# Altium PCB 190909 PCB (INITIAL).PcbDoc (part 1 of 2) (continued)
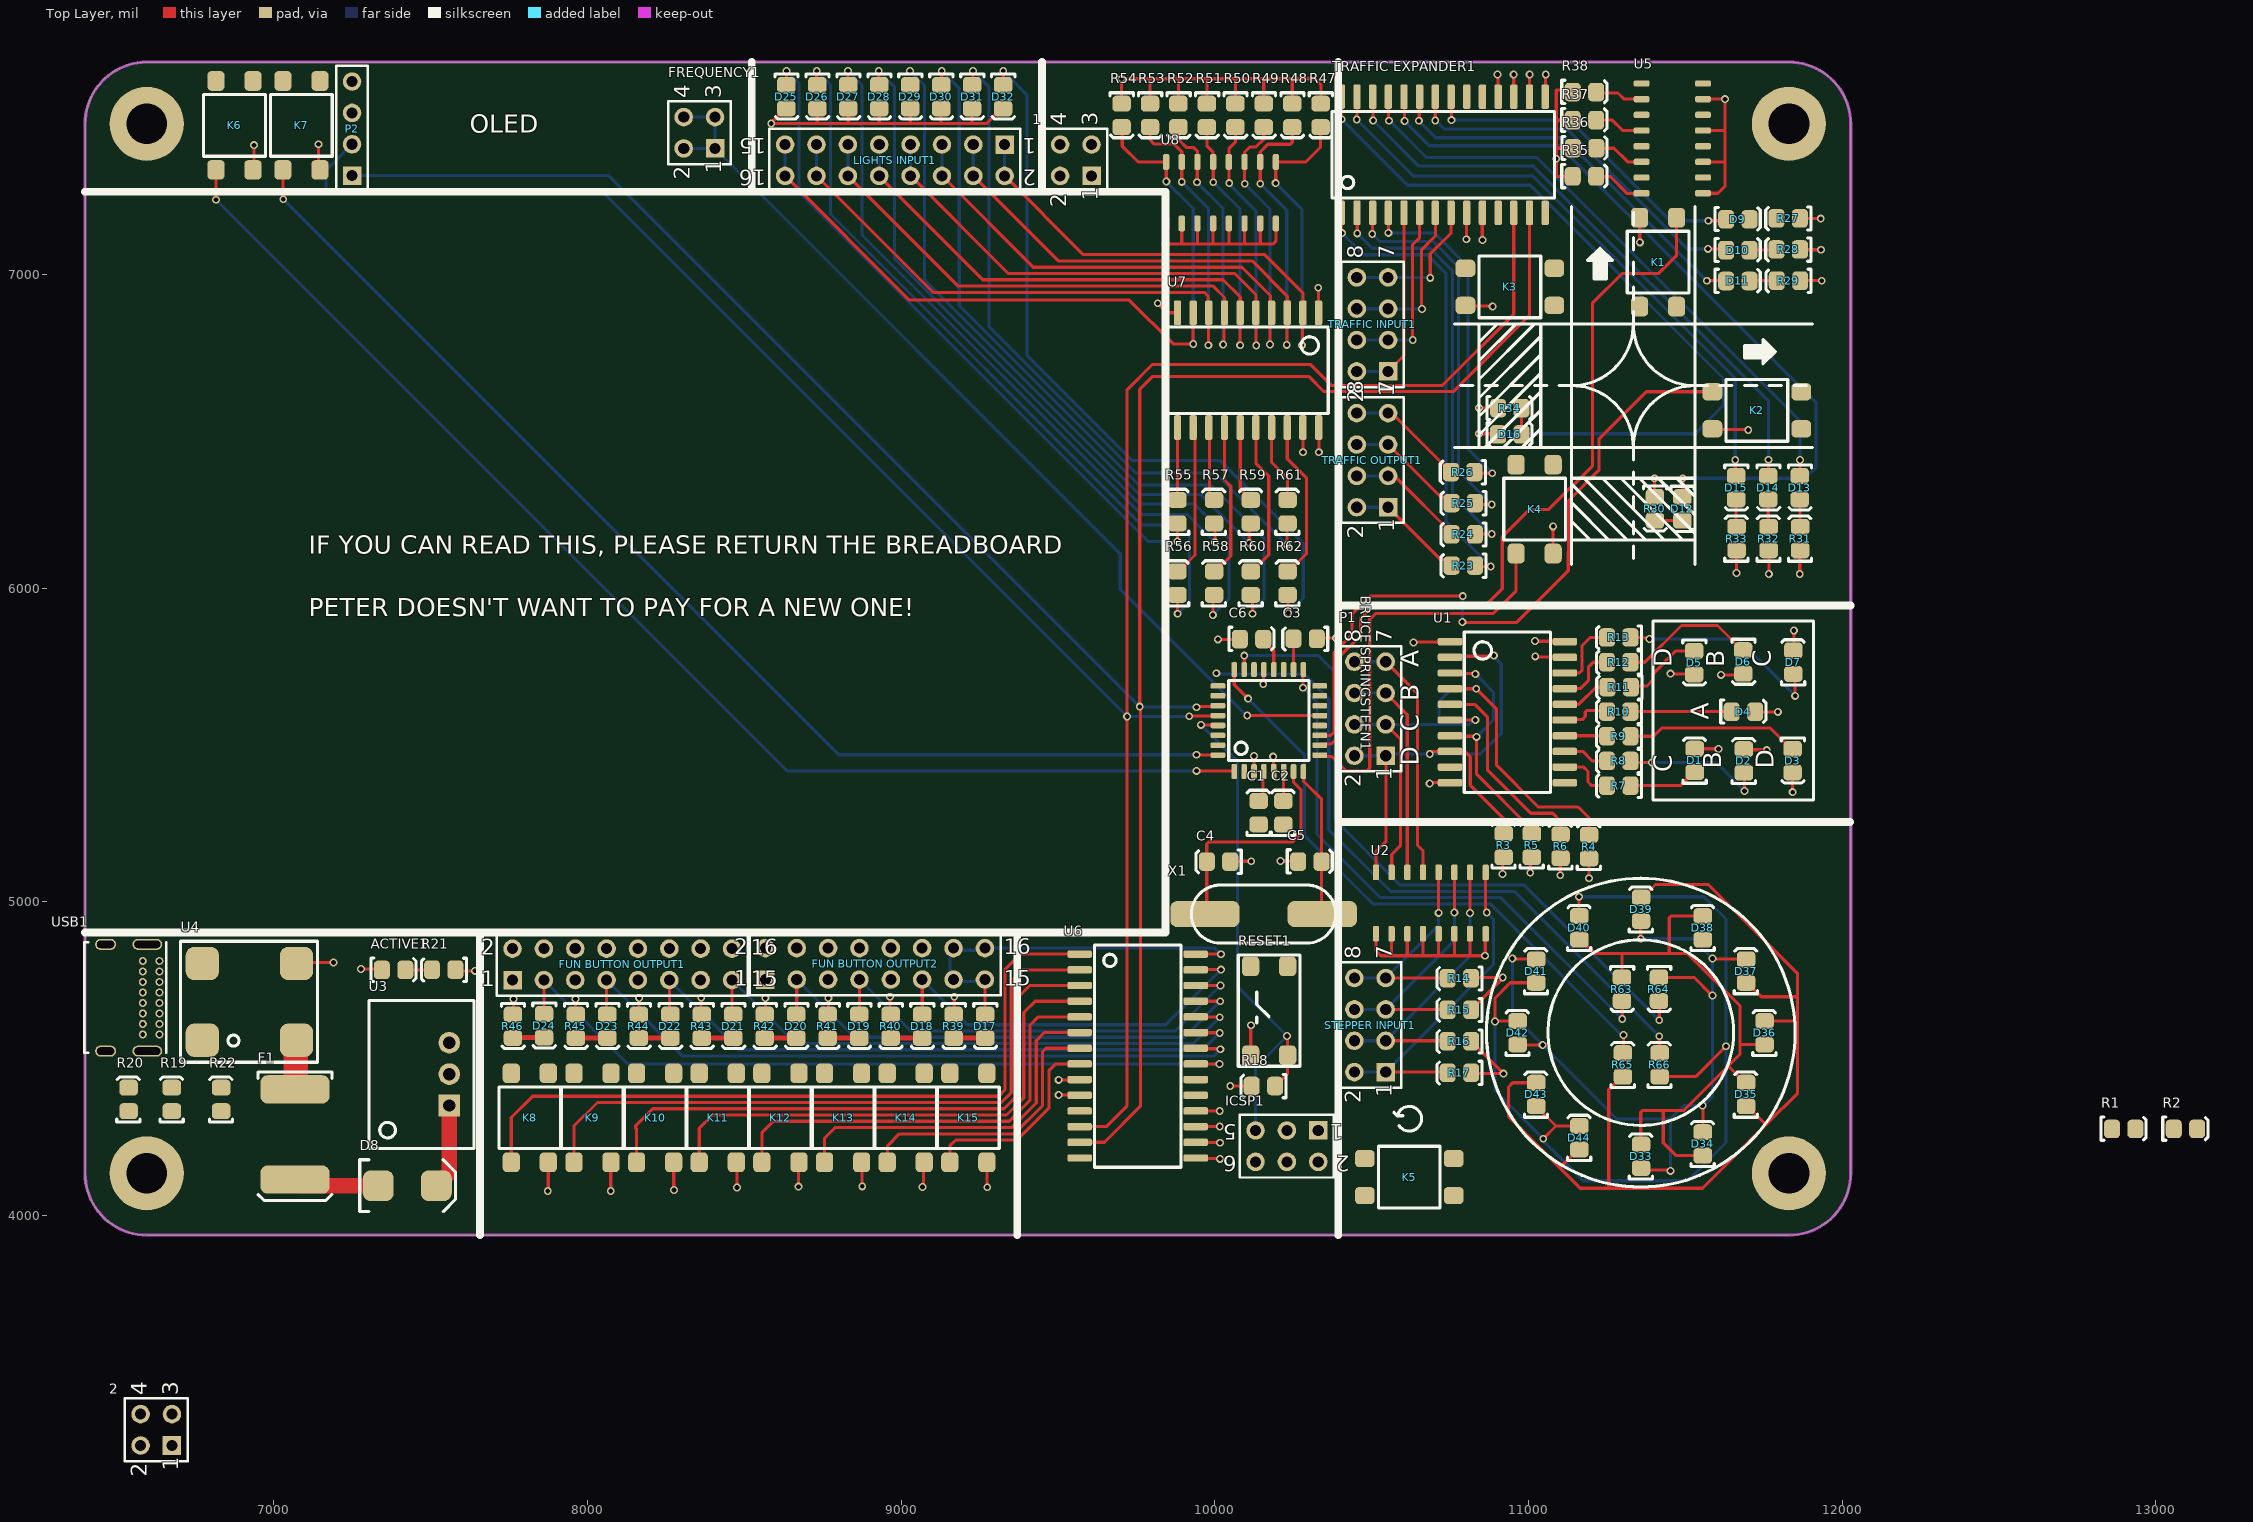
[diagram p0: Top Layer view]
## Components (designator, comment, footprint, x,y, rotation, side; value= is the part's Value field where it differs from the comment)
1 "2.54mm" "Header 2x2" 9606.89,7314.37 r90 top
2 "2.54mm" "Header 2x2" 6674.8,3266.14 r90 top
ACTIVE1 "LED" "0805 LED" 7381.89,4783.46 r0 top
"BRUCE SPRINGSTEEN1" "ATMEGA 328P-AU" "ATMEL TQFP-32" 10172.24,5577.76 r90 top
C1 "1uF" 0805 10138.78,5284.45 r90 top
C2 "4.7uF" 0805 10217.52,5284.45 r90 top
C3 "1uF" 0805 10287.4,5837.6 r180 top
C4 "22pF" 0805 10011.32,5126.99 r180 top
C5 "22pF" 0805 10303.64,5128.96 r0 top
C6 "100nF" 0805 10117.6,5838.63 r0 top
C7 "10uF" 0805 7460.63,4370.08 r270 bottom
C8 "22uF" 0805 7461.66,4530 r90 bottom
D1 "LED" "0805 LED" 11529.62,5450.83 r90 top
D2 "LED" "0805 LED" 11686.07,5449.33 r90 top
D3 "LED" "0805 LED" 11843.55,5449.33 r270 top
D4 "LED" "0805 LED" 11686.07,5606.81 r0 top
D5 "LED" "0805 LED" 11529.62,5761.85 r270 top
D6 "LED" "0805 LED" 11686.07,5764.29 r270 top
D7 "LED" "0805 LED" 11843.55,5764.29 r90 top
D8 "SD560BTR" "SMB Diode" 7342.52,4094.49 r0 top
D9 "LED" "0805 LED" 11668.31,7177.17 r0 top
D10 "LED" "0805 LED" 11668.31,7078.74 r0 top
D11 "LED" "0805 LED" 11668.31,6980.31 r0 top
D12 "LED" "0805 LED" 11492.13,6251.97 r270 top
D13 "LED" "0805 LED" 11866.14,6319.88 r270 top
D14 "LED" "0805 LED" 11765.75,6319.88 r270 top
D15 "LED" "0805 LED" 11663.39,6319.88 r270 top
D16 "LED" "0805 LED" 10940.94,6491.14 r0 top
D17 "LED" "0805 LED" 9268.75,4602.36 r270 top
D18 "LED" "0805 LED" 9067.96,4602.36 r270 top
D19 "LED" "0805 LED" 8867.17,4602.36 r270 top
D20 "LED" "0805 LED" 8666.39,4602.36 r270 top
D21 "LED" "0805 LED" 8465.6,4602.36 r270 top
D22 "LED" "0805 LED" 8264.81,4602.36 r270 top
D23 "LED" "0805 LED" 8064.02,4602.36 r270 top
D24 "LED" "0805 LED" 7862.41,4604.27 r270 top
D25 "LED" "0805 LED" 8634.84,7566.46 r270 top
D26 "LED" "0805 LED" 8733.56,7566.46 r270 top
D27 "LED" "0805 LED" 8832.27,7566.46 r270 top
D28 "LED" "0805 LED" 8930.98,7566.46 r270 top
D29 "LED" "0805 LED" 9029.69,7566.46 r270 top
D30 "LED" "0805 LED" 9128.41,7566.46 r270 top
D31 "LED" "0805 LED" 9227.12,7566.46 r270 top
D32 "LED" "0805 LED" 9325.83,7566.46 r270 top
D33 "LED" "0805 LED" 11358.27,4188.98 r90 top
D34 "LED" "0805 LED" 11555.12,4228.35 r90 top
D35 "LED" "0805 LED" 11692.91,4385.83 r90 top
D36 "LED" "0805 LED" 11751.97,4582.68 r90 top
D37 "LED" "0805 LED" 11692.91,4779.53 r90 top
D38 "LED" "0805 LED" 11555.12,4917.32 r90 top
D39 "LED" "0805 LED" 11358.27,4976.38 r90 top
D40 "LED" "0805 LED" 11161.42,4917.32 r90 top
D41 "LED" "0805 LED" 11023.62,4779.53 r90 top
D42 "LED" "0805 LED" 10964.57,4582.68 r90 top
D43 "LED" "0805 LED" 11023.62,4385.83 r90 top
D44 "LED" "0805 LED" 11161.42,4248.03 r90 top
F1 "0ZCF0200AF2C" 2920 7066.93,4401.57 r270 top
FREQUENCY1 "2.54mm" "Header 2x2" 8406.5,7401.97 r90 top
"FUN BUTTON OUTPUT1" "Header 2x8" "Header 2x8" 7760.63,4750.39 r0 top
"FUN BUTTON OUTPUT2" "Header 2x8" "Header 2x8" 8566.93,4751.97 r0 top
ICSP1 "2.54mm" "Header 2x3" 10329.92,4270.67 r180 top
K1 "TL3305AF160QG" "E-Switch SPST GULL" 11472.44,7039.37 r90 top
K2 "TL3305AF160QG" "E-Switch SPST GULL" 11728.35,6625.98 r180 top
K3 "TL3305AF160QG" "E-Switch SPST GULL" 10940.94,7019.69 r180 top
K4 "TL3305AF160QG" "E-Switch SPST GULL" 10960.63,6251.97 r270 top
K5 "TL3305AF160QG" "E-Switch SPST GULL" 10620.08,4062.99 r0 top
K6 "TL3305AF160QG" "E-Switch SPST GULL" 6814.96,7475.39 r270 top
K7 "TL3305AF160QG" "E-Switch SPST GULL" 7028.54,7475.39 r270 top
K8 "TL3305AF160QG" "E-Switch SPST GULL" 7756.69,4311.02 r270 top
K9 "TL3305AF160QG" "E-Switch SPST GULL" 7956.47,4311.02 r270 top
K10 "TL3305AF160QG" "E-Switch SPST GULL" 8156.24,4311.02 r270 top
K11 "TL3305AF160QG" "E-Switch SPST GULL" 8356.02,4311.02 r270 top
K12 "TL3305AF160QG" "E-Switch SPST GULL" 8555.79,4311.02 r270 top
K13 "TL3305AF160QG" "E-Switch SPST GULL" 8755.57,4311.02 r270 top
K14 "TL3305AF160QG" "E-Switch SPST GULL" 8955.34,4311.02 r270 top
K15 "TL3305AF160QG" "E-Switch SPST GULL" 9155.12,4311.02 r270 top
"LIGHTS INPUT1" "Header 2x8" "Header 2x8" 9329.92,7414.37 r180 top
P1 "2.54mm" "Header 2x4" 10544.88,5465.35 r90 top
P2 "2.54mm" "Header 1x4" 7249.02,7315.35 r90 top
R1 "10k" 0805 12898.7,4276.65 r0 top
R2 "10k" 0805 13095.55,4276.65 r0 top
R3 "10k" 0805 10920.28,5180.12 r90 top
R4 "10k" 0805 11192.26,5176.18 r90 top
R5 "10k" 0805 11009.84,5180.12 r90 top
R6 "10k" 0805 11101.38,5177.17 r90 top
R7 "1k" 0805 11287.4,5369.09 r180 top
R8 "1k" 0805 11287.4,5447.83 r180 top
R9 "1k" 0805 11287.4,5526.57 r180 top
R10 "1k" 0805 11287.4,5605.31 r180 top
R11 "1k" 0805 11288.9,5683.02 r180 top
R12 "1k" 0805 11287.4,5762.8 r180 top
R13 "1k" 0805 11287.4,5841.54 r180 top
R14 "10k" 0805 10779.53,4754.87 r180 top
R15 "10k" 0805 10779.53,4654.5 r180 top
R16 "10k" 0805 10779.53,4554.12 r180 top
R17 "10k" 0805 10779.53,4453.74 r180 top
R18 "1k" 0805 10154.53,4411.42 r180 top
R19 "200R" 0805 6673.23,4370.08 r90 top
R20 "5.1k" 0805 6535.43,4370.08 r90 top
R21 "200R" 0805 7540.87,4782.43 r180 top
R22 "5.1k" 0805 6830.71,4370.08 r90 top
R23 "330R" 0805 10791.79,6070.91 r180 top
R24 "330R" 0805 10791.79,6170.57 r180 top
R25 "330R" 0805 10791.79,6270.22 r180 top
R26 "330R" 0805 10789.88,6369.05 r180 top
R27 "1k" 0805 11827.76,7178.15 r180 top
R28 "1k" 0805 11827.76,7078.74 r180 top
R29 "1k" 0805 11828.74,6979.33 r180 top
R30 "1k" 0805 11404.53,6252.95 r270 top
R31 "1k" 0805 11865.31,6158.46 r90 top
R32 "1k" 0805 11764.92,6158.46 r90 top
R33 "1k" 0805 11662.56,6158.46 r90 top
R34 "1k" 0805 10940.94,6574.8 r0 top
R35 "10k" 0805 11179.13,7313.98 r0 top
R36 "10k" 0805 11179.61,7403.54 r0 top
R37 "10k" 0805 11179.13,7493.11 r0 top
R38 "10k" 0805 11179.13,7582.68 r0 top
R39 "1k" 0805 9168.35,4602.36 r270 top
R40 "1k" 0805 8967.57,4602.36 r270 top
R41 "1k" 0805 8766.78,4602.36 r270 top
R42 "1k" 0805 8565.99,4602.36 r270 top
R43 "1k" 0805 8365.2,4602.36 r270 top
R44 "1k" 0805 8164.42,4602.36 r270 top
R45 "1k" 0805 7963.63,4602.36 r270 top
R46 "1k" 0805 7762.84,4602.36 r270 top
R47 "10k" 0805 10338.58,7506.91 r270 top
R48 "10k" 0805 10247.89,7506.91 r270 top
R49 "10k" 0805 10157.2,7506.91 r270 top
R50 "10k" 0805 10066.51,7506.91 r270 top
R51 "10k" 0805 9975.82,7506.91 r270 top
R52 "10k" 0805 9885.12,7506.91 r270 top
R53 "10k" 0805 9794.43,7506.91 r270 top
R54 "10k" 0805 9703.74,7506.91 r270 top
R55 "1k" 0805 9879.48,6244.21 r90 top
R56 "1k" 0805 9879.48,6016.33 r90 top
R57 "1k" 0805 9996.62,6244.21 r90 top
R58 "1k" 0805 9996.62,6016.33 r90 top
R59 "1k" 0805 10113.76,6244.21 r90 top
R60 "1k" 0805 10113.76,6016.33 r90 top
R61 "1k" 0805 10230.91,6244.21 r90 top
R62 "1k" 0805 10230.91,6016.33 r90 top
R63 "1k" 0805 11299.21,4720.47 r270 top
R64 "1k" 0805 11417.32,4720.47 r270 top
R65 "1k" 0805 11300.24,4480.31 r90 top
R66 "1k" 0805 11417.32,4480.31 r90 top
RESET1 "TL3305AF160QG" "E-Switch SPST GULL" 10114.17,4652.56 r270 top
"STEPPER INPUT1" "2.54mm" "Header 2x4" 10544.88,4456.69 r90 top
"TRAFFIC EXPANDER1" "MCP23017" "Microchip 28-SOIC" 10728.35,7381.89 r0 top
"TRAFFIC INPUT1" "2.54mm" "Header 2x4" 10552.76,6690.94 r90 top
"TRAFFIC OUTPUT1" "2.54mm" "Header 2x4" 10552.76,6257.87 r90 top
U1 "SN74HC540DWR" "TI 20-SOIC" 10933.07,5604.33 r0 top
U2 "S16C03-8TR" "SMC 16-SOIC" 10688.78,4995.67 r0 top
U3 "R-78C3.3-1.0" "RECOM 3-SIP" 7559.06,4350.39 r90 top
U4 "744272121" "Wurth 4-PC Pad" 7071.65,4803.15 r180 top
U5 "S16C03-8TR" "SMC 16-SOIC" 11458.66,7434.06 r90 top
U6 "MCP23017" "Microchip 28-SOIC" 9753.94,4507.87 r270 top locked
U7 "SN74HC540DWR" "TI 20-SOIC" 10105.91,6695 r270 top
U8 "S16C03-8TR" "SMC 16-SOIC" 10019.68,7260.83 r0 top
USB1 "USB4085-GF-A" USB4085-GF-A 6476.38,4698.89 r270 top
X1 "16MHz" "Abracon HC-49/US" 10155.51,4960.63 r180 top

## Footprints (in the part's own frame and the unit in brackets; to place one, negate y for a bottom-side part, rotate by r counter-clockwise, add the part's x,y. Pads: shape width x height; smd on the part's side, far side on the other; paste and mask are expansions set on the pad)
0805 [mil]
  rrect50% 51.18x59.06 smd: 1(-37.87,-1.03) 2(36.93,-1.03)
  silkscreen extent -73,-37 71,37, body extent -39,-26 39,26, height 29
"0805 LED" [mil]
  rrect50% 51.18x59.06 smd: A(-37.87,-1.03) K(36.93,-1.03)
  silkscreen extent -73,-37 71,37, body extent -43,-25 35,25, height 39
2920 [mm]
  rrect50% 2.3x5.6 smd: 1(0,0) 2(7.3,0)
  silkscreen extent -1.4,-3 9,3, body extent -0.34,-2.81 7.64,2.81, height 1.14
"Abracon HC-49/US" [mm]
  rrect50% 5.6x2.1 smd: 1(-4.75,0) 2(4.75,0)
  silkscreen extent -5.85,-2.35 5.85,2.35, body extent -6.35,-2.35 6.35,2.35, height 4.06
"ATMEL TQFP-32" [mm]
  rrect50% 1.2x0.45 smd: 1(-4.125,2.8) 2(-4.125,2) 3(-4.125,1.2) 4(-4.125,0.4) 5(-4.125,-0.4) 6(-4.125,-1.2) 7(-4.125,-2) 8(-4.125,-2.8) 17(4.125,-2.8) 18(4.125,-2) 19(4.125,-1.2) 20(4.125,-0.4) 21(4.125,0.4) 22(4.125,1.2) 23(4.125,2) 24(4.125,2.8)
  rrect50% 0.45x1.2 smd: 9(-2.8,-4.125) 10(-2,-4.125) 11(-1.2,-4.125) 12(-0.4,-4.125) 13(0.4,-4.125) 14(1.2,-4.125) 15(2,-4.125) 16(2.8,-4.125) 26(2,4.125) 27(1.2,4.125) 28(0.4,4.125) 29(-0.4,4.125) 30(-1.2,4.125) 31(-2,4.125) 32(-2.8,4.125) 33(2.8,4.125)
  silkscreen extent -3.25,-3.25 3.25,3.25, body extent -4.5,-4.5 4.5,4.5, height 1.1
"E-Switch SPST GULL" [mm]
  rrect50% 1.6x1.4 smd: 1(-3.6,0) 2(3.6,0) 3(-3.6,3) 4(3.6,3)
  silkscreen extent -2.5,-1 2.5,4, body extent -3.65,-0.75 3.85,3.75, height 3.7
"Header 1x4" [mm]
  rect 1.5x1.5 hole 0.9: 1(0,0)
  round 1.5 hole 0.9: 2(2.54,0) 3(5.08,0) 4(7.62,0)
  silkscreen extent -1.27,-1.27 8.89,1.27
"Header 2x2" [mm]
  rect 1.5x1.5 hole 0.9: 1(0,0)
  round 1.5 hole 0.9: 2(0,2.54) 3(2.54,0) 4(2.54,2.54)
  silkscreen extent -1.27,-1.27 3.81,3.81
"Header 2x3" [mm]
  rect 1.5x1.5 hole 0.9: 1(0,0)
  round 1.5 hole 0.9: 2(0,2.54) 3(2.54,0) 4(2.54,2.54) 5(5.08,0) 6(5.08,2.54)
  silkscreen extent -1.27,-1.27 6.35,3.81
"Header 2x4" [mm]
  rect 1.5x1.5 hole 0.9: 1(0,0)
  round 1.5 hole 0.9: 2(0,2.54) 3(2.54,0) 4(2.54,2.54) 5(5.08,0) 6(5.08,2.54) 7(7.62,0) 8(7.62,2.54)
  silkscreen extent -1.27,-1.27 8.89,3.81
"Header 2x8" [mm]
  rect 1.5x1.5 hole 0.9: 1(0,0)
  round 1.5 hole 0.9: 2(0,2.54) 3(2.54,0) 4(2.54,2.54) 5(5.08,0) 6(5.08,2.54) 7(7.62,0) 8(7.62,2.54) 9(10.16,0) 10(10.16,2.54) 11(12.7,0) 12(12.7,2.54) 13(15.24,0) 14(15.24,2.54) 15(17.78,0) 16(17.78,2.54)
  silkscreen extent -1.27,-1.27 19.05,3.81
"Microchip 28-SOIC" [mm]
  rrect50% 0.6x2 smd: 1(-8.255,-4.7) 2(-6.985,-4.7) 3(-5.715,-4.7) 4(-4.445,-4.7) 5(-3.175,-4.7) 6(-1.905,-4.7) 7(-0.635,-4.7) 8(0.635,-4.7) 9(1.905,-4.7) 10(3.175,-4.7) 11(4.445,-4.7) 12(5.715,-4.7) 13(6.985,-4.7) 14(8.255,-4.7) 15(8.255,4.7) 16(6.985,4.7) 17(5.715,4.7) 18(4.445,4.7) 19(3.175,4.7) 20(1.905,4.7) 21(0.635,4.7) 22(-0.635,4.7) 23(-1.905,4.7) 24(-3.175,4.7) 25(-4.445,4.7) 26(-5.715,4.7) 27(-6.985,4.7) 28(-8.255,4.7)
  silkscreen extent -9,-3.5 9,3.5, body extent -8.95,-5.15 8.95,5.15, height 2.65
"RECOM 3-SIP" [mm] "12 to 42 Vdc In, 9 Vdc Out"
  rect 1.75x1.75 hole 1: 1(0,0)
  round 1.75 hole 1: 2(2.54,0) 3(5.08,0)
  silkscreen extent -3.5,-2 8.5,6.5, body extent -3.26,-2.02 8.34,6.48, height 11.41
"SMB Diode" [mm]
  rrect50% 2.5x2.5 smd: A(-0.25,0) K(4.45,0)
  silkscreen extent -1.75,-2.1 6,2.1, body extent -0.69,-1.97 4.9,1.97, height 2.5
"SMC 16-SOIC" [mm]
  rrect50% 0.51x1.27 smd: 1(-4.445,-2.49) 2(-3.175,-2.49) 3(-1.905,-2.49) 4(-0.635,-2.49) 5(0.635,-2.49) 6(1.905,-2.49) 7(3.175,-2.49) 8(4.445,-2.49) 9(4.445,2.49) 10(3.175,2.49) 11(1.905,2.49) 12(0.635,2.49) 13(-0.635,2.49) 14(-1.905,2.49) 15(-3.175,2.49) 16(-4.445,2.49)
  body extent -5,-2 5,2, height 2.65
"TI 20-SOIC" [mm]
  rrect50% 2x0.6 smd: 1(-4.65,5.715) 2(-4.65,4.445) 3(-4.65,3.175) 4(-4.65,1.905) 5(-4.65,0.635) 6(-4.65,-0.635) 7(-4.65,-1.905) 8(-4.65,-3.175) 9(-4.65,-4.445) 10(-4.65,-5.715) 11(4.65,-5.715) 12(4.65,-4.445) 13(4.65,-3.175) 14(4.65,-1.905) 15(4.65,-0.635) 16(4.65,0.635) 17(4.65,1.905) 18(4.65,3.175) 19(4.65,4.445) 20(4.65,5.715)
  silkscreen extent -3.5,-6.5 3.5,6.5, body extent -5.32,-6.5 5.32,6.5, height 2.64
USB4085-GF-A [mm]
  round 0.65 hole 0.4: A1(-2.848,4.025) A4(-1.998,4.025) A5(-1.148,4.025) A6(-0.298,4.025) A7(0.552,4.025) A8(1.402,4.025) A9(2.252,4.025) A12(3.102,4.025) B1(3.102,2.675) B4(2.252,2.675) B5(1.402,2.675) B6(0.552,2.675) B7(-0.298,2.675) B8(-1.148,2.675) B9(-1.998,2.675) B12(-2.848,2.675)
  oval 0.9x2.4 hole 0.6 slot 2.1 at 90 deg: P1(-4.198,3.045) P2(4.452,3.045)
  oval 0.9x1.7 hole 0.6 slot 1.4 at 90 deg: P3(4.452,-0.335) P4(-4.198,-0.335)
  silkscreen extent -4.35,-2.07 4.6,4.58, body extent -4.39,-4.56 4.64,4.61, height 3.46
"Wurth 4-PC Pad" [mm]
  rrect50% 2.7x2.7 smd: 1(7.62,6.22) 2(0,6.22) 3(0,0) 4(7.62,0)
  silkscreen extent -1.7,-1.8 9.4,8, body extent -1.19,-1.24 8.81,7.46, height 6.2

## Part data
1 2 FREQUENCY1: library part "Header 2x2", Angle=0, Contact=NA, Flange=No, Part Number="Header 2x2", Pitch=2.54mm, Positions=4, Row Spacing=2.54mm
ACTIVE1 D1 D2 D3 D4 D5 D6 D7 D9 D10 D11 D12 D13 D14 D15 D16 D17 D18 D19 D20 D21 D22 D23 D24 D25 D26 D27 D28 D29 D30 D31 D32 D33 D34 D35 D36 D37 D38 D39 D40 D41 D42 D43 D44: library part SML-210LTT86, "Red LED Indication - Discrete 1.75V 0805 (2012 Metric)", Colour=Red, Digikey Part Number=511-1286-1-ND, Manufacturer="ROHM Semiconductor", Digikey Link=https://www.digikey.com/product-detail/en/rohm-semiconductor/SML-210LTT86/511-1286-1-ND/637099, Part Number=SML-210LTT86
"BRUCE SPRINGSTEEN1": "AVR AVR® ATmega Microcontroller IC 8-Bit 20MHz 32KB (16K x 16) FLASH 32-TQFP (7x7)", Digikey Part Number=ATMEGA328P-AU-ND, Manufacturer=ATMEL, Digikey Link=https://www.digikey.com/product-detail/en/microchip-technology/ATMEGA328P-AU/ATMEGA328P-AU-ND/1832260, Part Number="ATMEGA 328P-AU"
C1 C3: library part GCM21BR71A105KA37L, Manufacturer=muRata, Rated Voltage=10V, Tolerance=10%, Material=X7R, Part Number=GCM21BR71A105KA37L
C2: library part GCM21BR61A475KA37L, Manufacturer=muRata, Rated Voltage=10V, Tolerance=10%, Material=X5R, Part Number=GCM21BR61A475KA37L
C4 C5: library part GCM21B5C1H220JA37L, Manufacturer=muRata, Rated Voltage=50V, Tolerance=5%, Material=C0G, Part Number=GCM21B5C1H220JA37L
C6: library part GCM21BR71E104KA37L, Manufacturer=muRata, Rated Voltage=25V, Tolerance=10%, Material=X7R, Part Number=GCM21BR71E104KA37L
C7: library part GCM21BR61A106KA37L, Manufacturer=muRata, Rated Voltage=10V, Tolerance=10%, Material=X5R, Part Number=GCM21BR61A106KA37L
C8: library part GRM21BR61A226ME51L, Digikey Part Number=490-10511-1-ND, Manufacturer=muRata, Rated Voltage=10V, Tolerance=20%, Material=X5R, Part Number=GRM21BR61A226ME51L
D8: "1.2V_F 600V 5A SMB", Digikey Part Number=1655-1530-2-ND, Manufacturer="SMC Diode Solutions", Digikey Link=https://www.digikey.com/product-detail/en/smc-diode-solutions/SD560BTR/1655-1530-2-ND/6022620, Part Number=SD560BTR
F1: "SMD 24V 2A Fuse", Digikey Part Number=507-1749-2-ND, Manufacturer="Bel Fuse Inc", Digikey Link=https://www.digikey.com/product-detail/en/bel-fuse-inc/0ZCF0200AF2C/507-1749-2-ND/4156090, Part Number=0ZCF0200AF2C
ICSP1: library part "Header 2x3", Angle=0, Contact=NA, Flange=No, Part Number="Header 2x3", Pitch=2.54mm, Positions=6, Row Spacing=2.54mm
K1 K2 K3 K4 K5 K6 K7 K8 K9 K10 K11 K12 K13 K14 K15 RESET1: "Tactile Switch SPST-NO Top Actuated Surface Mount", Digikey Part Number=EG5350TR-ND, Manufacturer=E-Switch, Digikey Link=https://www.digikey.com/product-detail/en/e-switch/TL3305AF160QG/EG5350TR-ND/5816181, Part Number=TL3305AF160QG
P1 "STEPPER INPUT1" "TRAFFIC INPUT1" "TRAFFIC OUTPUT1": library part "Header 2x4", Angle=0, Contact=NA, Flange=No, Part Number="Header 2x4", Pitch=2.54mm, Positions=8, Row Spacing=2.54mm
P2: library part "Header 1x4", Angle=0, Contact=NA, Flange=No, Part Number="Header 1x4", Pitch=2.54mm, Positions=4, Row Spacing=2.54mm
R1 R2 R3 R4 R5 R6 R14 R15 R16 R17 R35 R36 R37 R38 R47 R48 R49 R50 R51 R52 R53 R54: library part RC0805FR0710KL, Manufacturer=YAGEO, Rated Voltage=0.125W, Tolerance=0.01, Material=FR-07, Part Number=RC0805FR0710KL, qty=50
R7 R8 R9 R10 R11 R12 R13 R18 R27 R28 R29 R30 R31 R32 R33 R34 R39 R40 R41 R42 R43 R44 R45 R46 R55 R56 R57 R58 R59 R60 R61 R62 R63 R64 R65 R66: library part RC0805FR071KL, Manufacturer=YAGEO, Rated Voltage=0.125W, Tolerance=0.01, Material=FR-07, Part Number=RC0805FR071KL, qty=50
R19 R21: library part RC0805FR07200RL, Manufacturer=YAGEO, Rated Voltage=0.125W, Tolerance=0.01, Material=FR-07, Part Number=RC0805FR07200RL, qty=50
R20 R22: library part RC0805FR075K1L, Manufacturer=YAGEO, Rated Voltage=0.125W, Tolerance=0.01, Material=FR-07, Part Number=RC0805FR075K1L, qty=50
R23 R24 R25 R26: library part RC0805FR07330RL, Manufacturer=YAGEO, Rated Voltage=0.125W, Tolerance=0.01, Material=FR-07, Part Number=RC0805FR07330RL, qty=50
"TRAFFIC EXPANDER1" U6: "IC I/O EXPANDER I2C 16B 28SOIC", Digikey Part Number=MCP23017T-E/SOTR-ND, Manufacturer="Microchip Technology", Digikey Link=https://www.digikey.com/product-detail/en/microchip-technology/MCP23017T-E-SO/MCP23017T-E-SOTR-ND/964184, Part Number=MCP23017
U1 U7: "IC BUFFER INVERT 6V 20SOIC", Digikey Part Number=296-8333-1-ND, Manufacturer="Texas Instruments", Digikey Link=https://www.digikey.com/product-detail/en/texas-instruments/SN74HC540DWR/296-8333-1-ND/376710, Part Number=SN74HC540DWR
U2 U5 U8: "PD 300W VWM 3.3VCJ 425PFPACKAGE", Digikey Part Number=1655-2152-2-ND, Manufacturer="SMC Diode", Digikey Link=https://www.digikey.com/product-detail/en/smc-diode-solutions/S16C03-8TR/1655-2152-2-ND/9816814, Part Number=S16C03-8TR
U3: "CONV DC/DC 1A 3.3V OUT SIP VERT", Digikey Part Number=945-1394-5-ND, Manufacturer=Recom, Digikey Link=https://www.digikey.com/product-detail/en/recom-power/R-78C3.3-1.0/945-1394-5-ND/2652147, Part Number=R-78C3.3-1.0
U4: "Common Mode Choke 120UH 2.5A 2LN 460 OHM SMD", Digikey Part Number=732-1489-2-ND, Manufacturer="Wurth Electronics Inc", Digikey Link=https://www.digikey.com/product-detail/en/wurth-electronics-inc/744272121/732-1489-2-ND/1638893, Part Number=744272121
USB1: "USB - C (Type - C) USB 2.0 Receptacle Connector 16 Position Through Hole, Right Angle", Digikey Part Number=2073-USB4085-GF-ACT-ND, Angle=90, Digikey Link=https://www.digikey.ee/product-detail/en/gct/USB4085-GF-A/2073-USB4085-GF-ACT-ND/9859733, Part Number=USB4085-GF-A
X1: library part ABLS-16.000MHZ-B4-T, Digikey Part Number=535-10226-1-ND, Load Capacitance=18pF, Manufacturer="Abracon LLC", Digikey Link=https://www.digikey.com/product-detail/en/abracon-llc/ABLS-16.000MHZ-B4-T/535-10226-1-ND/2184261, ESR=40R, Part Number=ABLS-16.000MHZ-B4-T
"FUN BUTTON OUTPUT1" "FUN BUTTON OUTPUT2" "LIGHTS INPUT1": Angle=0, Contact=NA, Flange=No, Part Number="Header 2x8", Pitch=2.54mm, Positions=16, Row Spacing=2.54mm

## Free pads (board coordinates)
  round 236.22 hole 129.92: MOUNT(6594.49,4133.86) MOUNT(6594.49,7480.31) MOUNT(11830.71,4133.86) MOUNT(11830.71,7480.31)

## Via types
v1: diameter 25, hole 15, Top Layer to Bottom Layer, 194 vias

## Nets (pads, with @x,y where several pads share a name; then routed paths per layer and width w, separated by ;. In a path a pad name is that pad's centre, name@x,y a point inside that pad or via, vN(x,y) a via of type N, cw(c..) or ccw(c..) an arc to the next point about the centre after c; other vN are vias at no path point)
0V: 2.1 2.2 2.3 2.4 "BRUCE SPRINGSTEEN1.3" "BRUCE SPRINGSTEEN1.5" "BRUCE SPRINGSTEEN1.21" "TRAFFIC EXPANDER1.16" "TRAFFIC EXPANDER1.17" C1.1 C2.1 C3.1 C4.1 C5.1 C6.1 C7.1 C8.1 D1.K D2.K D3.K D4.K D5.K D6.K D7.K D25.K D26.K D27.K D28.K D29.K D30.K D31.K D32.K ICSP1.6 P2.4 R1.1 R2.1 R3.1 R4.1 R5.1 R6.1 R14.1 R15.1 R16.1 R17.1 R21.1 R27.1 R28.1 R29.1 R30.1 R31.1 R32.1 R33.1 R34.1 R35.1 R36.1 R37.1 R38.1 R39.1 R40.1 R41.1 R42.1 R43.1 R44.1 R45.1 R46.1 R47.1 R48.1 R49.1 R50.1 R51.1 R52.1 R53.1 R54.1 RESET1.2 U1.10 U2.1 U2.2 U2.3 U2.4 U2.5 U2.6 U2.7 U2.8 U3.2 U4.3 U5.1 U5.3 U5.5 U5.7 U6.10 U6.15 U6.16 U6.17 U7.10 U8.1 U8.2 U8.3 U8.4 U8.5 U8.6 U8.7 U8.8 | length 8655.6
  Top Layer w10: U4.3@7071.65,4803.15 7074.61,4806.1 v1(7189.96,4806.1) ; R21.1@7578.74,4783.46 7582.68,4779.53 v1(7640.75,4779.53) ; R46.1@7761.81,4640.23 7763.78,4642.2 v1(7763.78,4689.96) ; v1(7961.61,4689.96) 7961.61,4641.22 R45.1@7962.6,4640.23 ; R44.1@8163.39,4640.23 8164.37,4641.22 v1(8164.37,4692.91) ; v1(8362.2,4693.9) 8362.2,4642.2 R43.1@8364.17,4640.23 ; R42.1@8564.96,4640.23 8566.93,4642.2 v1(8566.93,4692.91) ; D25.K@8633.81,7529.53 8631.87,7529.53 8585.63,7483.29 v1(8585.63,7481.3) 8732.52,7481.3 ; D26.K@8732.52,7529.53 8732.52,7481.3 ; R41.1@8765.75,4640.23 8767.72,4642.2 v1(8767.72,4692.91) ; D27.K@8831.24,7529.53 8831.24,7483.8 8828.74,7481.3 ; D28.K@8929.95,7529.53 8929.95,7483.44 8932.09,7481.3 ; v1(8964.57,4696.85) 8964.57,4642.2 R40.1@8966.54,4640.23 ; D29.K@9028.66,7529.53 9028.66,7483.39 9026.57,7481.3 ; D30.K@9127.38,7529.53 9127.38,7483.84 9129.92,7481.3 ; R39.1@9167.32,4640.23 9169.29,4642.2 v1(9169.29,4696.85) ; D31.K@9226.09,7529.53 9226.09,7481.59 9226.38,7481.3 ; D32.K@9324.8,7529.53 9320.86,7529.53 9272.63,7481.3 9226.38,7481.3 ; v1(9501.97,4383.86) 9567.91,4383.86 U6.10@9568.9,4382.87 ; R54.1@9702.71,7544.78 9702.76,7544.83 v1(9702.76,7624.02) 9792.82,7624.02 ; R53.1@9793.4,7544.78 9793.4,7623.43 9792.82,7624.02 ; v1(9817.91,6908.46) 9848.31,6878.07 U7.10@9880.91,6878.07 ; U8.1@9844.68,7162.8 9843.6,7161.71 9843.6,7098.52 v1(9842.52,7097.44) 9893.21,7097.44 ; R52.1@9884.09,7544.78 9884.09,7622.8 9882.87,7624.02 ; U8.2@9894.68,7162.8 9894.68,7098.92 9893.21,7097.44 ; U6.15@9938.98,4182.87 9940.35,4181.5 10015.35,4181.5 v1(10016.73,4180.12) ; U6.16@9938.98,4232.87 9939.76,4232.09 10015.94,4232.09 v1(10016.73,4231.3) ; U6.17@9938.98,4282.87 9939.27,4283.17 10015.45,4283.17 v1(10015.75,4283.46) ; U8.3@9944.68,7162.8 9944.68,7098.23 9943.9,7097.44 ; R51.1@9974.78,7544.78 9974.78,7623.64 9974.41,7624.02 ; U8.4@9994.68,7162.8 9994.68,7098.03 9994.09,7097.44 ; v1(10009.84,5836.61) 10078.74,5836.61 C6.1@10079.73,5837.6 ; U8.5@10044.68,7162.8 10044.68,7098.82 10043.31,7097.44 ; C4.1@10049.19,5128.02 10050.18,5129.01 v1(10116.12,5129.01) ; R50.1@10065.48,7544.78 10065.48,7622.56 10066.93,7624.02 ; U8.6@10094.68,7162.8 10094.68,7097.64 10094.49,7097.44 ; RESET1.2@10114.17,4510.83 10114.67,4511.32 10114.67,4605.81 v1(10115.16,4606.3) ; 10125,5415.35 v1(10125,5464.57) ; U8.7@10144.68,7162.8 10144.68,7098.43 10143.7,7097.44 ; v1(10154.53,5693.9) 10155.51,5694.88 10155.51,5739.17 10156.5,5740.16 ; R49.1@10156.17,7544.78 10156.17,7623.36 10155.51,7624.02 ; v1(10186.02,5462.6) 10187.01,5461.61 10187.01,5416.34 10187.99,5415.35 ; U8.8@10194.68,7162.8 10194.68,7106.1 10186.02,7097.44 10143.7,7097.44 ; v1(10209.16,5129.94) 10255.88,5129.94 10259.82,5133.88 C5.1@10265.77,5127.93 ; R48.1@10246.86,7544.78 10246.86,7623.22 10246.06,7624.02 ; C3.1@10325.27,5838.63 10327.2,5840.55 v1(10386.81,5840.55) ; R47.1@10337.55,7544.78 10338.58,7545.81 10338.58,7605.31 10319.88,7624.02 10246.06,7624.02 ; U2.1@10513.78,4897.64 10513.78,4843.5 10529.53,4827.76 10561.02,4827.76 ; U2.2@10563.78,4897.64 10563.78,4830.51 10561.02,4827.76 ; U2.3@10613.78,4897.64 10613.78,4830.31 10611.22,4827.76 ; U2.4@10663.78,4897.64 10663.78,4828.35 10664.37,4827.76 ; v1(10684.99,5376.89) 10692.89,5376.89 10695.63,5379.63 10710.33,5379.63 ; U2.5@10713.78,4897.64 10713.78,4828.94 10712.6,4827.76 ; U1.10@10749.7,5379.63 U1.10@10750,5379.33 ; U2.6@10763.78,4897.64 10763.78,4827.76 ; U2.7@10813.78,4897.64 10813.78,4829.04 10812.5,4827.76 ; R17.1@10817.4,4454.77 10820.4,4451.77 v1(10920.78,4451.77) R16.1@10817.4,4555.15 ; R15.1@10817.4,4655.53 10918.31,4756.43 v1(10918.31,4758.63) 10824.06,4758.63 10819.37,4753.94 R14.1@10817.4,4755.91 ; v1(10842.52,6574.8) 10902.04,6574.8 R34.1@10903.07,6573.77 ; U2.8@10863.78,4897.64 10862.5,4896.36 10862.5,4829.04 v1(10861.22,4827.76) 10812.5,4827.76 ; v1(10917.32,5088.58) 10917.32,5138.26 R3.1@10921.31,5142.25 ; v1(10952.76,7637.8) 10953.05,7637.5 10953.05,7567.22 10953.35,7566.93 ; 11003.35,7566.93 11003.64,7567.22 11003.64,7637.5 v1(11003.94,7637.8) ; v1(11005.91,5092.52) 11005.91,5137.28 R5.1@11010.87,5142.25 ; v1(11101.38,5084.65) 11101.38,5138.26 R6.1@11102.41,5139.29 ; R35.1@11141.26,7312.94 11088.54,7312.94 v1(11088.54,7369.09) 11088.54,7406.5 ; R37.1@11141.26,7492.08 11096.36,7492.08 11088.54,7484.25 ; R38.1@11141.26,7581.65 11134.32,7588.58 11088.54,7588.58 11088.54,7484.25 ; R36.1@11141.74,7402.51 11092.52,7402.51 11088.54,7406.5 ; v1(11192.91,5074.8) 11192.91,5137.93 R4.1@11193.29,5138.31 ; v1(11401.57,6350.39) 11401.57,6292.75 R30.1@11403.5,6290.83 ; v1(11452.76,5727.36) 11453.98,5726.14 11527.37,5726.14 D5.K@11528.59,5724.92 ; D1.K@11530.65,5487.75 11605.75,5487.75 v1(11606.3,5487.2) ; U5.1@11556.69,7259.06 11604.53,7259.06 11626.97,7281.5 11626.97,7358.27 ; U5.5@11556.69,7459.06 11626.57,7459.06 11626.97,7458.66 ; U5.7@11556.69,7559.06 v1(11626.97,7559.06) 11626.97,7458.66 ; U5.3@11557.28,7358.46 U5.3@11556.69,7359.06 11626.18,7359.06 11626.97,7358.27 ; v1(11614.17,5723.43) 11681.1,5723.43 D6.K@11685.04,5727.36 ; v1(11663.39,6048.23) 11663.39,6120.39 R33.1@11663.59,6120.59 ; D2.K@11687.1,5486.26 11688.6,5484.76 11758.35,5484.76 v1(11759.84,5483.27) ; D4.K@11723,5605.78 11723.46,5605.31 v1(11795.28,5605.31) ; R32.1@11765.95,6120.59 11766.73,6119.81 v1(11766.73,6045.28) ; v1(11842.52,5349.41) D3.K@11842.52,5412.4 ; D7.K@11844.58,5801.22 11846.46,5803.09 v1(11846.46,5865.16) ; v1(11865.16,6045.28) 11865.16,6119.4 R31.1@11866.35,6120.59 ; R28.1@11865.63,7079.77 11866.66,7078.74 v1(11933.07,7078.74) ; R27.1@11865.63,7179.18 11866.66,7178.15 v1(11932.09,7178.15) ; R29.1@11866.61,6980.36 11866.66,6980.31 v1(11935.04,6980.31) ; 8732.52,7481.3 8828.74,7481.3 ; 8828.74,7481.3 8932.09,7481.3 ; 8932.09,7481.3 9026.57,7481.3 ; 9026.57,7481.3 9129.92,7481.3 ; 9129.92,7481.3 9226.38,7481.3 ; 9792.82,7624.02 9882.87,7624.02 ; 9882.87,7624.02 9974.41,7624.02 ; 9893.21,7097.44 9943.9,7097.44 ; 9943.9,7097.44 9994.09,7097.44 ; 9974.41,7624.02 10066.93,7624.02 ; 9994.09,7097.44 10043.31,7097.44 ; 10043.31,7097.44 10094.49,7097.44 ; 10066.93,7624.02 10155.51,7624.02 ; 10094.49,7097.44 10143.7,7097.44 ; 10155.51,7624.02 10246.06,7624.02 ; 10561.02,4827.76 10611.22,4827.76 ; 10611.22,4827.76 10664.37,4827.76 ; 10664.37,4827.76 10712.6,4827.76 ; 10712.6,4827.76 10763.78,4827.76 ; 10763.78,4827.76 10812.5,4827.76 ; 11088.54,7406.5 11088.54,7484.25 ; 11626.97,7358.27 11626.97,7458.66
3.3V: 1.1 1.2 1.3 1.4 "BRUCE SPRINGSTEEN1.4" "BRUCE SPRINGSTEEN1.6" "BRUCE SPRINGSTEEN1.18" "TRAFFIC EXPANDER1.9" "TRAFFIC EXPANDER1.15" "TRAFFIC EXPANDER1.18" ACTIVE1.A C1.2 C2.2 C3.2 C8.2 K1.4 K2.4 K3.4 K4.4 K5.4 K6.4 K7.4 K8.4 K9.4 K10.4 K11.4 K12.4 K13.4 K14.4 K15.4 P2.3 R18.2 U1.1 U1.19 U1.20 U3.3 U6.9 U6.18 U7.1 U7.19 U7.20 | length 2516.8
  Top Layer w10: K6.4@6933.07,7333.66 6936.02,7336.61 v1(6936.02,7412.4) ; v1(7141.73,7415.35) 7141.73,7338.58 K7.4@7146.65,7333.66 ; v1(7277.56,4785.43) 7341.02,4785.43 ACTIVE1.A@7344.02,4782.43 ; v1(7873.03,4077.76) 7874.8,4079.53 K8.4@7874.8,4169.29 ; v1(8073.82,4077.76) 8073.82,4168.53 K9.4@8074.58,4169.29 ; K10.4@8274.35,4169.29 8274.97,4168.67 8274.97,4081.33 v1(8275.59,4080.71) ; K11.4@8474.13,4169.29 8476.38,4167.04 v1(8476.38,4088.58) ; v1(8672.24,4091.54) 8673.07,4092.36 8673.07,4168.46 K12.4@8673.9,4169.29 ; K13.4@8873.68,4169.29 8874.83,4168.14 8874.83,4093.67 v1(8875.98,4092.52) ; v1(9067.91,4090.55) 9070.68,4093.32 9070.68,4166.52 K14.4@9073.45,4169.29 ; K15.4@9273.23,4169.29 9273.92,4168.6 9273.92,4090.26 v1(9274.61,4089.57) ; v1(9501.97,4432.09) 9568.11,4432.09 U6.9@9568.9,4432.87 ; U6.18@9938.98,4332.87 9939.07,4332.78 10015.65,4332.78 v1(10015.75,4332.68) ; v1(10049.21,4412.4) R18.2@10117.6,4412.45 R18.2@10117.6,4412.45 ; C1.2@10139.81,5321.38 10154.02,5335.59 10154.02,5412.88 10156.5,5415.35 ; C2.2@10218.55,5321.38 10219.49,5322.31 10219.49,5415.35 ; C3.2@10250.47,5838.63 10250.73,5838.37 10250.73,5740.41 10250.98,5740.16 ; U7.19@10280.91,6511.93 10281.2,6511.63 10281.2,6433.37 v1(10281.5,6433.07) ; v1(10329.72,6957.68) 10330.31,6957.09 10330.31,6878.66 U7.1@10330.91,6878.07 ; U7.20@10330.91,6511.93 10331.69,6511.14 v1(10331.69,6433.07) ; v1(10633.86,5826.77) 10635.14,5828.05 10709.35,5828.05 ; U1.1@10748.72,5828.05 U1.1@10750,5829.33 ; K3.4@10799.21,6901.57 10801.18,6899.61 10883.86,6899.61 v1(10885.83,6897.64) ; v1(10802.17,7112.2) 10802.76,7112.8 10802.76,7196.26 10803.35,7196.85 ; v1(10901.57,7637.8) 10902.46,7636.91 10902.46,7567.82 10903.35,7566.93 ; v1(11020.67,5831.69) 11021.85,5830.51 11114.96,5830.51 U1.20@11116.14,5829.33 ; v1(11021.65,5782.48) 11023.23,5780.91 11114.57,5780.91 U1.19@11116.14,5779.33 ; 11053.35,7566.93 11054.23,7567.81 11054.23,7636.91 v1(11055.12,7637.8) ; K4.4@11078.74,6110.24 v1(11078.74,6196.85) ; K1.4@11354.33,7181.1 11354.82,7180.61 11354.82,7102.85 v1(11355.32,7102.36) ; K2.4@11586.61,6507.87 11588.58,6505.91 11698.82,6505.91 v1(11700.79,6503.94)
5V: ICSP1.2 U4.1 USB1.A4 USB1.A9 USB1.B4 USB1.B9
A: P1.7 P1.8 R6.2 U1.5 U2.13 | length 1469.5
  Top Layer w10: P1.7@10544.88,5765.35 10646.65,5663.58 10646.65,5179.13 10663.78,5162.01 U2.13@10663.78,5093.7 ; U1.5@10750,5629.33 10750.69,5628.64 10830.02,5628.64 10869.09,5589.57 10869.09,5420.28 11007.2,5282.17 11077.09,5282.17 11102.41,5256.84 R6.2@11102.41,5214.09
  Bottom Layer w10: P1.8@10444.88,5765.35 P1.7@10544.88,5765.35
"AMBER EW": "TRAFFIC EXPANDER1.26" D14.A | length 1946.4
  Top Layer w10: 10503.35,7566.93 10504.13,7566.14 10504.13,7491.93 v1(10504.92,7491.14) ; D14.A@11764.72,6357.75 11765.75,6358.79 v1(11765.75,6409.45)
  Bottom Layer w10: v1(10504.92,7491.14) 10650.59,7345.47 11015.75,7345.47 11765.75,6595.47 v1(11765.75,6409.45)
"AMBER NS": "TRAFFIC EXPANDER1.22" D10.A | length 1174.7
  Top Layer w10: v1(10703.05,7490.85) 10703.05,7566.63 10703.35,7566.93 ; v1(11572.83,7081.69) 11626.45,7081.69 D10.A@11630.43,7077.71
  Bottom Layer w10: v1(10703.05,7490.85) 10705.02,7490.85 10732.28,7463.58 11124.02,7463.58 11505.91,7081.69 v1(11572.83,7081.69)
B: P1.5 P1.6 R5.2 U1.3 U1.7 U2.14 | length 1497.1
  Top Layer w10: P1.5@10544.88,5665.35 10613.78,5596.46 U2.14@10613.78,5093.7 ; U1.7@10750,5529.33 10751.87,5527.46 10832.78,5527.46 v1(10834.65,5525.59) 10834.65,5406.5 11010.87,5230.27 R5.2@11010.87,5217.05 ; U1.3@10750,5729.33 10751.48,5727.85 10829.23,5727.85 v1(10830.71,5726.38)
  Bottom Layer w10: P1.6@10444.88,5665.35 P1.5@10544.88,5665.35 ; v1(10830.71,5726.38) 10888.78,5668.31 10888.78,5579.72 v1(10834.65,5525.59)
C: P1.3 P1.4 R4.2 U1.4 U1.6 U2.15 | length 1956.8
  Top Layer w10: P1.3@10544.88,5565.35 10591.54,5518.7 10591.54,5178.15 10563.98,5150.59 10563.98,5093.9 U2.15@10563.78,5093.7 ; U1.6@10750,5579.33 10750.2,5579.53 10830.51,5579.53 v1(10830.71,5579.72) ; U1.4@10750,5679.33 10750.1,5679.23 v1(10833.56,5679.23) 10898.62,5614.17 10898.62,5435.04 11031.5,5302.17 11158.46,5302.17 11193.29,5267.34 R4.2@11193.29,5213.11
  Bottom Layer w10: P1.4@10444.88,5565.35 P1.3@10544.88,5565.35 10714.57,5565.35 ; v1(10830.71,5579.72) 10826.65,5579.72 10812.28,5565.35 10714.57,5565.35 ; v1(10833.56,5679.23) 10833.46,5679.13 10755.91,5679.13 10714.57,5637.8 10714.57,5565.35
"Car EW (IN)": R38.2 U5.10 | length 153.9
  Top Layer w10: R38.2@11216.06,7581.65 11218.97,7578.74 11285.43,7578.74 11305.12,7559.06 U5.10@11360.63,7559.06
"Car EW (OUT)": "TRAFFIC OUTPUT1.7" "TRAFFIC OUTPUT1.8" R26.2 | length 378
  Top Layer w10: 10552.76,6557.87 10564.88,6557.87 10752.67,6370.08 R26.2@10752.95,6370.08
  Bottom Layer w10: 10452.76,6557.87 10552.76,6557.87
"Car NS (IN)": R37.2 U5.12 | length 158.2
  Top Layer w10: R37.2@11216.06,7492.08 11267.76,7492.08 11300.79,7459.06 U5.12@11360.63,7459.06
"Car NS (OUT)": "TRAFFIC OUTPUT1.5" "TRAFFIC OUTPUT1.6" R25.2 | length 379.4
  Top Layer w10: 10552.76,6457.87 10719.66,6290.97 10735.14,6290.97 R25.2@10754.86,6271.25
  Bottom Layer w10: 10452.76,6457.87 10552.76,6457.87
Charlie1: "BRUCE SPRINGSTEEN1.17" ICSP1.3 R63.2 | length 1820.6
  Top Layer w10: v1(10281.5,5682.09) 10281.5,5735.24 10284.45,5738.19 10282.48,5740.16 ; R63.2@11298.18,4683.54 11299.21,4682.51 v1(11299.21,4625.98)
  Bottom Layer w10: v1(10281.5,5682.09) 10325.79,5637.8 10325.79,5346.46 10325.79,5215.55 10528.29,5013.05 10912.15,5013.05 v1(11299.21,4625.98)
Charlie2: "BRUCE SPRINGSTEEN1.23" R64.2 | length 2187.2
  Top Layer w10: 10093.5,5740.16 10093.75,5740.4 10093.75,5784.48 v1(10094,5784.73) ; R64.2@11416.29,4683.54 11417.32,4682.51 v1(11417.32,4622.05)
  Bottom Layer w10: v1(10094,5784.73) 10330.43,5784.73 10383.44,5731.72 10383.44,5261.24 10591.63,5053.05 10986.32,5053.05 v1(11417.32,4622.05)
Charlie3: "BRUCE SPRINGSTEEN1.24" R65.2 | length 1963.6
  Top Layer w10: 10062.01,5740.16 10062.01,5691.93 v1(10106.3,5647.64) ; R65.2@11301.28,4517.24 11303.15,4519.12 v1(11303.15,4574.8)
  Bottom Layer w10: v1(10106.3,5647.64) 10283.52,5470.41 10285.49,5470.41 10285.49,5339.57 10285.49,5211.56 10477.36,5019.69 10504,4993.05 10878.52,4993.05 v1@11296.76,4574.8 ; v1@11295.28,4574.8 v1@11296.76,4574.8 ; v1(11303.15,4574.8) v1@11296.76,4574.8
Charlie4: R66.2 | length 2190.4
  Top Layer w10: v1(11417.32,4570.87) 11417.32,4518.27 R66.2@11418.35,4517.24
  Bottom Layer w10: v1(10004.92,5728.35) 10006.89,5726.38 10284.45,5726.38 10363.44,5647.39 10363.44,5339.57 10363.44,5230.06 10538.39,5055.12 10560.45,5033.05 10955.14,5033.05 v1(11417.32,4570.87)
D: P1.1 P1.2 R3.2 U1.2 U1.8 U2.16 | length 1764.2
  Top Layer w10: U2.16@10513.78,5093.7 10513.78,5160.43 10546.26,5192.91 10546.26,5463.98 P1.1@10544.88,5465.35 ; v1(10685.53,5470.96) 10693.9,5479.33 U1.8@10750,5479.33 10750.98,5478.35 10798.23,5478.35 10814.65,5461.93 10814.65,5371.38 10921.31,5264.72 R3.2@10921.31,5217.05 ; U1.2@10750,5779.33 10753.23,5782.56 10886.89,5782.56 v1(10889.76,5785.43) ; 10759.34,5250 10810.24,5250
  Bottom Layer w10: P1.2@10444.88,5465.35 P1.1@10544.88,5465.35 10545.28,5464.96 10551.28,5470.96 v1(10685.53,5470.96) 10846.95,5470.96 10913.39,5537.4 10913.39,5757.75 10889.76,5781.37 v1(10889.76,5785.43)
"EastLight1 IN": "TRAFFIC EXPANDER1.7" "TRAFFIC INPUT1.5" "TRAFFIC INPUT1.6" | length 533.8
  Top Layer w10: v1(10660.43,6889.76) 10659.51,6890.69 10659.51,7078.8 10703.35,7122.64 10703.35,7196.85
  Bottom Layer w10: 10452.76,6890.94 10552.76,6890.94 10553.35,6890.35 10659.84,6890.35 v1(10660.43,6889.76)
"EastLight2 IN": "TRAFFIC EXPANDER1.8" "TRAFFIC INPUT1.7" "TRAFFIC INPUT1.8" | length 470.1
  Top Layer w10: v1(10687.01,6989.17) 10687.01,7065.94 10753.35,7132.28 10753.35,7196.85
  Bottom Layer w10: 10452.76,6990.94 10552.76,6990.94 10553.64,6990.06 10686.12,6990.06 v1(10687.01,6989.17)
"Frequency (OUT)": "BRUCE SPRINGSTEEN1.13" FREQUENCY1.1 FREQUENCY1.2 FREQUENCY1.3 FREQUENCY1.4 | length 3044
  Top Layer w10: v1(10103.35,5593.5) 10326.77,5593.5 10329.73,5590.55 10333.66,5594.49 10334.65,5593.5
  Bottom Layer w10: FREQUENCY1.2@8306.5,7401.97 FREQUENCY1.1@8406.5,7401.97 ; FREQUENCY1.4@8306.5,7501.97 FREQUENCY1.3@8406.5,7501.97 FREQUENCY1.1@8406.5,7401.97 ; v1@10100.39,5594.49 10099.89,5594.49 9698.33,5996.05 9698.33,6110.14 FREQUENCY1.1@8406.5,7401.97
Fun1: "FUN BUTTON OUTPUT1.1" "FUN BUTTON OUTPUT1.2" "FUN BUTTON OUTPUT1.3" "FUN BUTTON OUTPUT1.4" D24.A U6.21 | length 2449.8
  Top Layer w10: 7860.63,4750.39 7860.63,4642.89 D24.A@7861.38,4642.14 ; U6.21@9938.98,4482.87 9939.27,4482.58 10014.47,4482.58 v1(10014.76,4482.28)
  Bottom Layer w10: 7860.63,4750.39 8128.74,4482.28 v1(10014.76,4482.28)
Fun2: "FUN BUTTON OUTPUT1.5" "FUN BUTTON OUTPUT1.6" "FUN BUTTON OUTPUT1.7" "FUN BUTTON OUTPUT1.8" D23.A U6.22 | length 2257.8
  Top Layer w10: 8060.63,4750.39 8060.63,4642.6 D23.A@8062.99,4640.23 ; U6.22@9938.98,4532.87 9940.65,4531.2 10016.04,4531.2 v1(10017.72,4529.53)
  Bottom Layer w10: 8060.63,4750.39 8303.15,4507.87 9996.06,4507.87 v1(10017.72,4529.53)
Fun3: "FUN BUTTON OUTPUT1.9" "FUN BUTTON OUTPUT1.10" "FUN BUTTON OUTPUT1.11" "FUN BUTTON OUTPUT1.12" D22.A U6.23 | length 2058.3
  Top Layer w10: 8260.63,4750.39 8260.63,4643.38 D22.A@8263.78,4640.23 ; U6.23@9938.98,4582.87 9939.57,4582.28 10015.16,4582.28 v1(10015.75,4581.69)
  Bottom Layer w10: 8260.63,4750.39 8483.15,4527.87 9961.93,4527.87 v1(10015.75,4581.69)
Fun4: "FUN BUTTON OUTPUT1.13" "FUN BUTTON OUTPUT1.14" "FUN BUTTON OUTPUT1.15" "FUN BUTTON OUTPUT1.16" D21.A U6.24 | length 1862.8
  Top Layer w10: 8460.63,4750.39 8460.63,4644.17 D21.A@8464.57,4640.23 ; U6.24@9938.98,4632.87 9939.47,4632.38 10015.26,4632.38 v1(10015.75,4631.89)
  Bottom Layer w10: 8460.63,4750.39 8663.15,4547.87 9931.73,4547.87 v1(10015.75,4631.89)
Fun5: "FUN BUTTON OUTPUT2.1" "FUN BUTTON OUTPUT2.2" "FUN BUTTON OUTPUT2.3" "FUN BUTTON OUTPUT2.4" D20.A U6.25 | length 1665.4
  Top Layer w10: D20.A@8665.35,4640.23 8666.93,4641.81 8666.93,4751.97 ; U6.25@9938.98,4682.87 v1(10017.52,4682.87)
  Bottom Layer w10: 8666.93,4751.97 8851.02,4567.87 9902.52,4567.87 v1(10017.52,4682.87)
Fun6: "FUN BUTTON OUTPUT2.5" "FUN BUTTON OUTPUT2.6" "FUN BUTTON OUTPUT2.7" "FUN BUTTON OUTPUT2.8" D19.A U6.26 | length 1470.8
  Top Layer w10: D19.A@8866.14,4640.23 8866.93,4641.02 8866.93,4751.97 ; U6.26@9938.98,4732.87 v1(10018.31,4732.87)
  Bottom Layer w10: 8866.93,4751.97 9031.02,4587.87 9873.31,4587.87 v1(10018.31,4732.87)
Fun7: "FUN BUTTON OUTPUT2.9" "FUN BUTTON OUTPUT2.10" "FUN BUTTON OUTPUT2.11" "FUN BUTTON OUTPUT2.12" D18.A U6.27 | length 1277.9
  Top Layer w10: D18.A@9066.93,4640.23 9066.93,4751.97 ; U6.27@9938.98,4782.87 9939.57,4783.46 v1(10019.68,4783.46)
  Bottom Layer w10: 9066.93,4751.97 9211.02,4607.87 9844.09,4607.87 v1(10019.68,4783.46)
Fun8: "FUN BUTTON OUTPUT2.13" "FUN BUTTON OUTPUT2.14" "FUN BUTTON OUTPUT2.15" "FUN BUTTON OUTPUT2.16" D17.A U6.28 | length 1253.6
  Top Layer w10: 9266.93,4751.97 9266.93,4641.02 D17.A@9267.72,4640.23 ; U6.28@9938.98,4832.87 9939.07,4832.78 10019.59,4832.78 v1(10019.68,4832.68)
  Bottom Layer w10: 9255.51,4745.08 9155.51,4745.08 9155.51,4845.08 9255.51,4845.08 ; 9266.93,4851.97 10000.09,4851.97 10019.38,4832.68 v1(10019.68,4832.68)
GND: "TRAFFIC EXPANDER1.10" R20.2 R22.2 U4.4 USB1.A1 USB1.A12 USB1.B1 USB1.B12 USB1.P1 | length 87
  Top Layer w10: v1(10853.35,7110.24) 10852.85,7110.73 10852.85,7196.36 10853.35,7196.85
"GREEN EW": "TRAFFIC EXPANDER1.27" D15.A | length 1933.6
  Top Layer w10: v1(10452.76,7494.09) 10453.35,7494.69 10453.35,7566.93 ; v1(11659.45,6408.46) 11659.45,6360.66 D15.A@11662.35,6357.75
  Bottom Layer w10: v1(10452.76,7494.09) 10632.87,7313.98 11013.78,7313.98 11659.45,6668.31 v1(11659.45,6408.46)